# Altium PCB PCB1.PcbDoc (part 8 of 9) (continued)
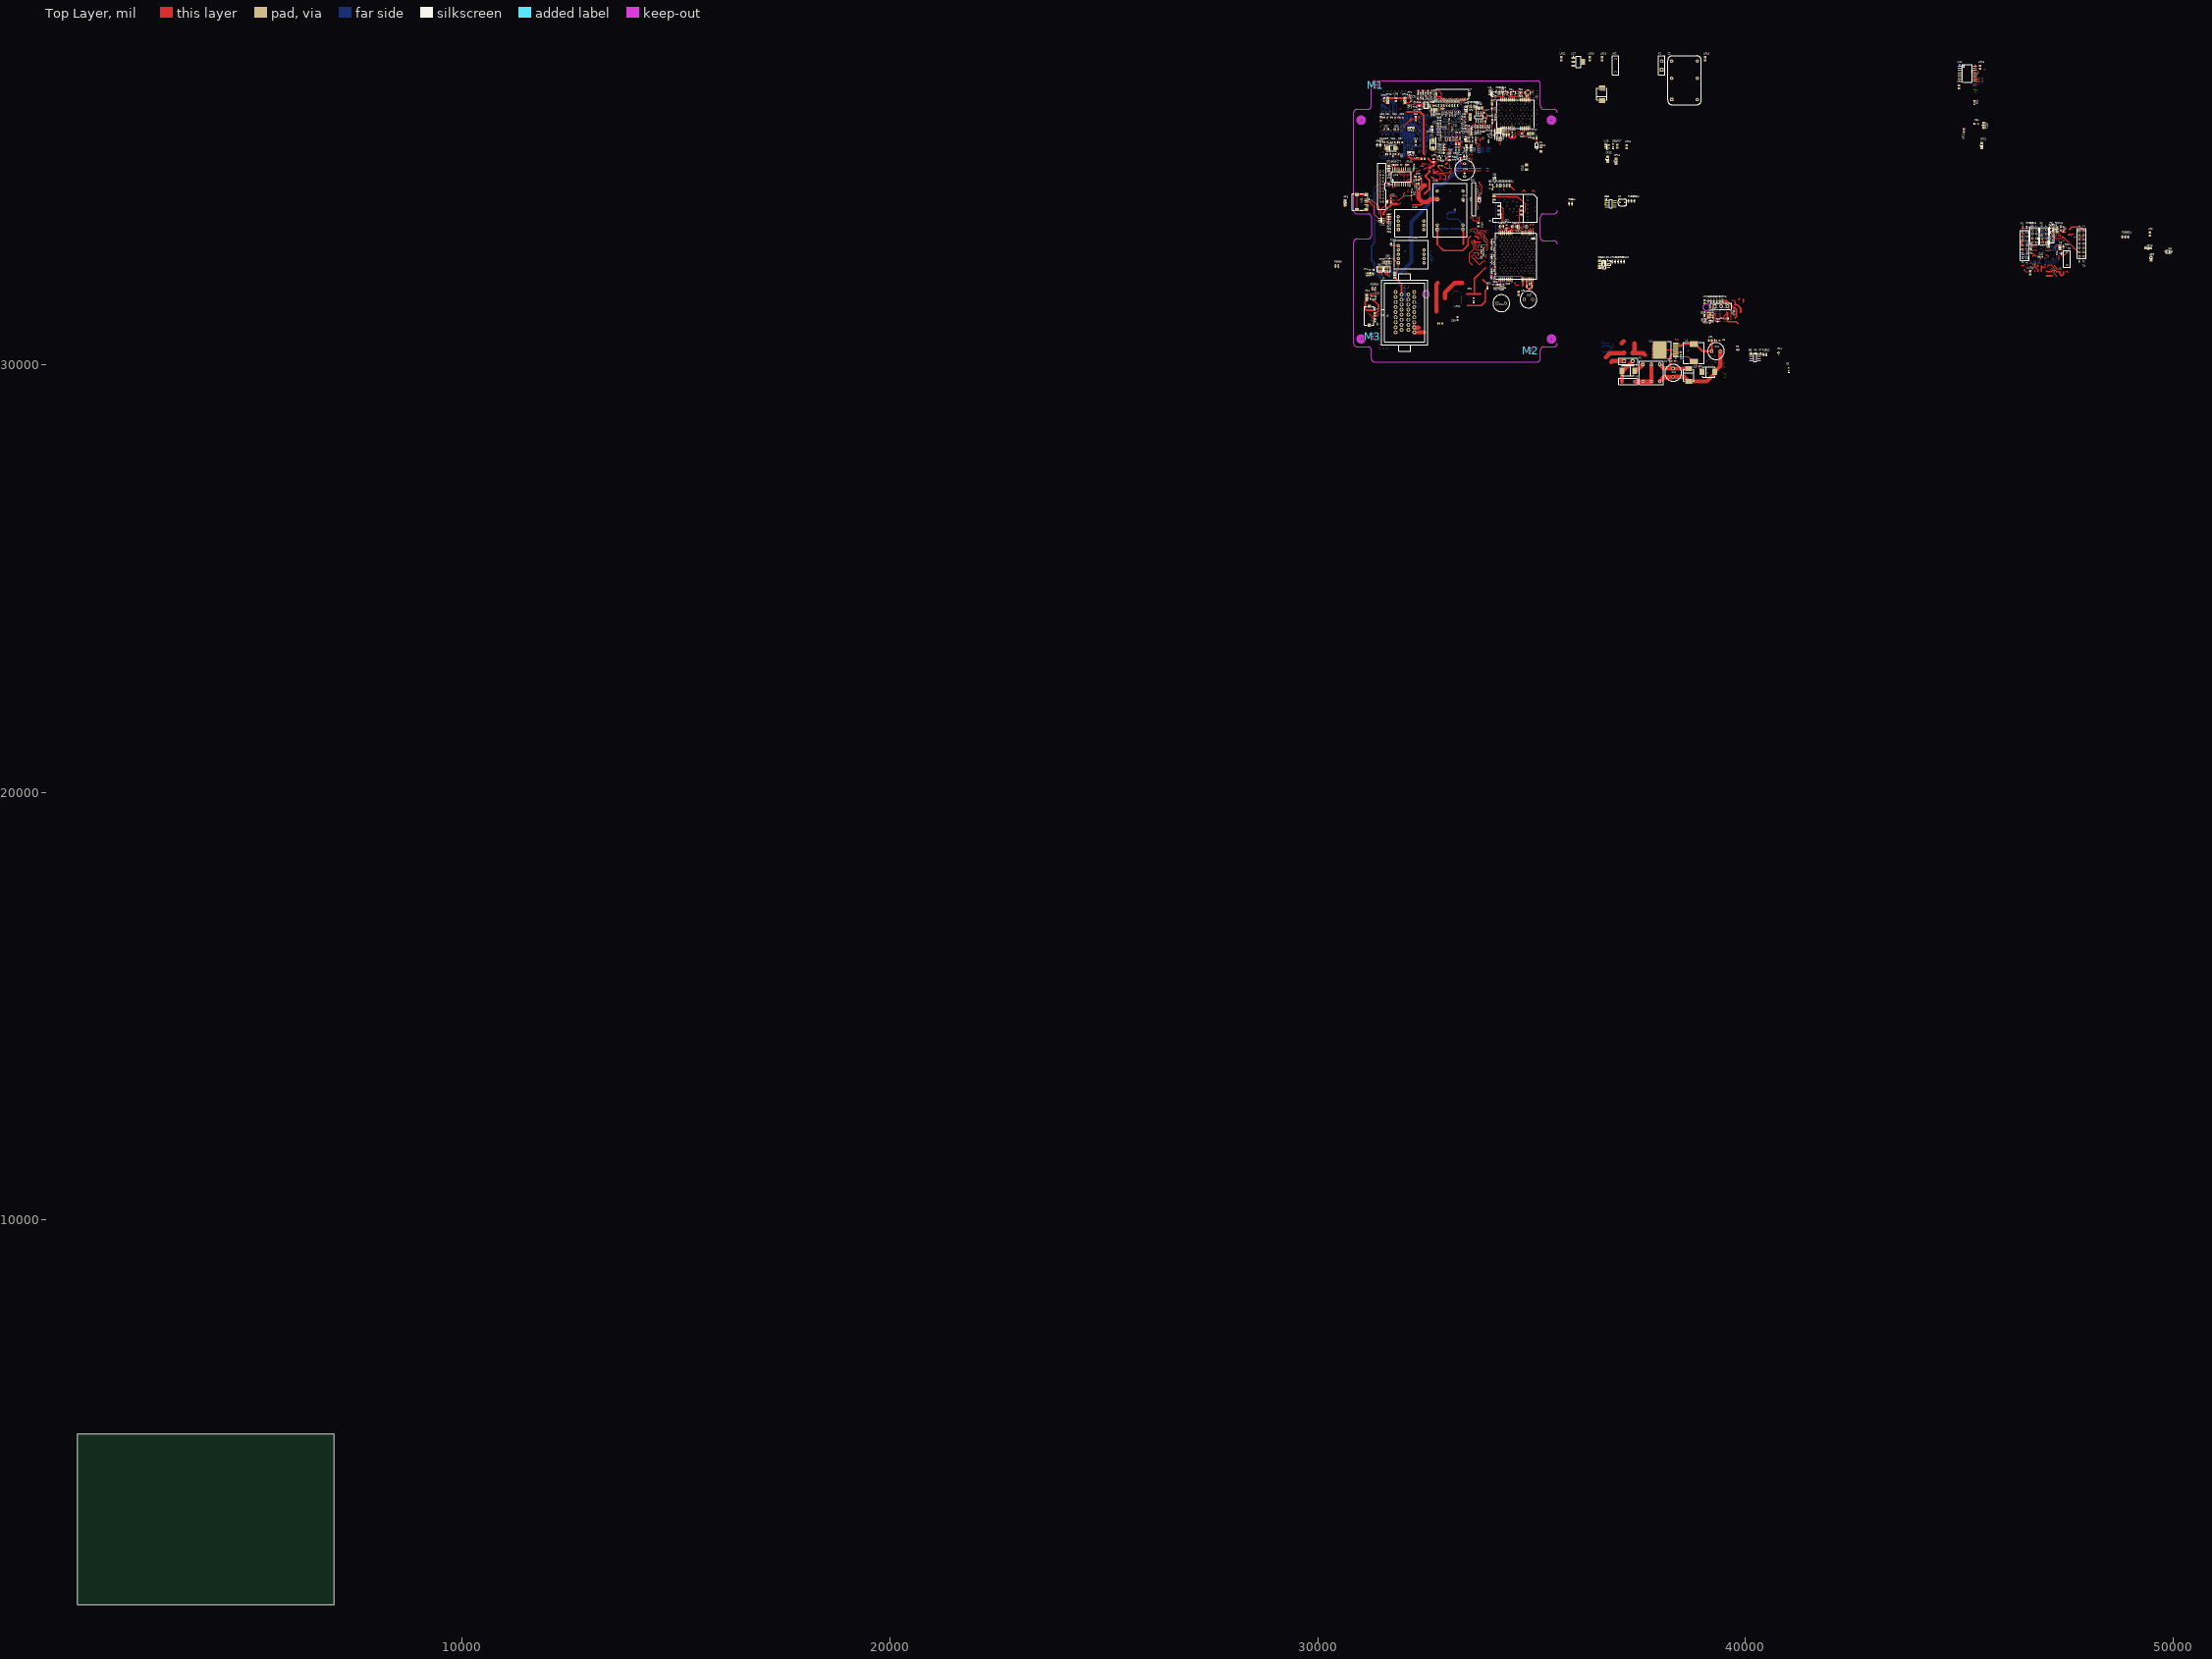
[diagram p0: Top Layer view]
## Nets (pads, with @x,y where several pads share a name; then routed paths per layer and width w, separated by ;. In a path a pad name is that pad's centre, name@x,y a point inside that pad or via, vN(x,y) a via of type N, cw(c..) or ccw(c..) an arc to the next point about the centre after c; other vN are vias at no path point) (continued)
; 33189.23,35518.29 v1(33204.98,35502.54) ; 33189.23,35549.79 v1(33204.98,35534.04) ; 33189.23,35581.28 v1(33204.98,35565.54) ; 33189.23,35644.28 v1(33204.98,35660.02) ; 33189.23,35738.77 v1(33204.98,35723.02) ; 33189.23,35801.76 v1(33204.98,35817.51) ; v1@33200.98,35376.56 ccw(c33191.33,35376.56) 33198.15,35383.39 ccw(c33204.98,35390.22) v1@33204.98,35380.56 ; v1@33200.98,35408.06 ccw(c33191.33,35408.06) 33198.15,35414.89 ccw(c33204.98,35421.71) v1@33204.98,35412.06 ; v1@33200.98,35439.55 ccw(c33191.33,35439.55) 33198.15,35446.38 ccw(c33204.98,35453.21) v1@33204.98,35443.55 ; v1@33200.98,35471.05 ccw(c33191.33,35471.05) 33198.15,35477.88 ccw(c33204.98,35484.71) v1@33204.98,35475.05 ; v1@33200.98,35502.54 ccw(c33191.33,35502.54) 33198.15,35509.37 ccw(c33204.98,35516.2) v1@33204.98,35506.54 ; v1@33200.98,35534.04 ccw(c33191.33,35534.04) 33198.15,35540.87 ccw(c33204.98,35547.7) v1@33204.98,35538.04 ; v1@33200.98,35565.54 ccw(c33191.33,35565.54) 33198.15,35572.37 ccw(c33204.98,35579.19) v1@33204.98,35569.54 ; v1@33200.98,35660.02 cw(c33191.33,35660.02) 33198.15,35653.2 cw(c33204.98,35646.37) v1@33204.98,35656.02 ; v1@33200.98,35723.02 ccw(c33191.33,35723.02) 33198.15,35729.85 ccw(c33204.98,35736.68) v1@33204.98,35727.02 ; v1@33200.98,35817.51 cw(c33191.33,35817.51) 33198.15,35810.68 cw(c33204.98,35803.85) v1@33204.98,35813.51 ; v1@33204.98,35750.51 cw(c33204.98,35740.86) 33211.81,35747.69 cw(c33218.64,35754.51) v1@33208.98,35754.51 ; v1(33204.98,35754.51) 33220.73,35738.77 ; 33220.73,35392.31 v1(33236.48,35376.56) ; 33220.73,35423.8 v1(33236.48,35408.06) ; 33220.73,35455.3 v1(33236.48,35439.55) ; 33220.73,35486.8 v1(33236.48,35471.05) ; 33220.73,35518.29 v1(33236.48,35502.54) ; 33220.73,35581.28 v1(33236.48,35565.54) ; 33220.73,35675.77 v1(33236.48,35691.52) ; v1@33232.48,35376.56 ccw(c33222.82,35376.56) 33229.65,35383.39 ccw(c33236.48,35390.22) v1@33236.48,35380.56 ; v1@33232.48,35408.06 ccw(c33222.82,35408.06) 33229.65,35414.89 ccw(c33236.48,35421.71) v1@33236.48,35412.06 ; v1@33232.48,35439.55 ccw(c33222.82,35439.55) 33229.65,35446.38 ccw(c33236.48,35453.21) v1@33236.48,35443.55 ; v1@33232.48,35502.54 ccw(c33222.82,35502.54) 33229.65,35509.37 ccw(c33236.48,35516.2) v1@33236.48,35506.54 ; v1@33232.48,35565.54 ccw(c33222.82,35565.54) 33229.65,35572.36 ccw(c33236.48,35579.19) v1@33236.48,35569.54 ; v1@33232.48,35691.52 cw(c33222.82,35691.52) 33229.65,35684.69 cw(c33236.48,35677.87) v1@33236.48,35687.52 ; v1@33249.4,35853.94 cw(c33242.57,35847.11) 33252.23,35847.11 cw(c33261.89,35847.11) v1@33255.06,35853.94 ; 33252.23,35360.81 v1(33267.98,35345.06) ; 33252.23,35392.31 v1(33267.98,35376.56) ; 33252.23,35423.8 v1(33267.98,35408.06) ; 33252.23,35486.8 v1(33267.98,35471.05) ; 33252.23,35518.29 v1(33268.11,35502.42) ; 33252.23,35549.79 v1(33267.97,35565.54) ; 33252.23,35644.28 v1(33267.98,35660.02) ; 33252.23,35675.77 v1(33267.98,35691.52) ; 33252.23,35707.27 v1(33267.98,35723.02) ; 33252.23,35738.77 v1(33267.98,35754.51) ; 33252.23,35833.25 v1(33252.23,35856.77) ; v1@33263.97,35565.54 cw(c33254.31,35565.54) 33261.15,35558.71 cw(c33267.97,35551.88) v1@33267.97,35561.54 ; v1@33263.98,35345.06 ccw(c33254.32,35345.06) 33261.15,35351.89 ccw(c33267.98,35358.72) v1@33267.98,35349.06 ; v1@33263.98,35376.56 ccw(c33254.32,35376.56) 33261.15,35383.39 ccw(c33267.98,35390.22) v1@33267.98,35380.56 ; v1@33263.98,35408.06 ccw(c33254.32,35408.06) 33261.15,35414.89 ccw(c33267.98,35421.71) v1@33267.98,35412.06 ; v1@33263.98,35471.05 ccw(c33254.32,35471.05) 33261.15,35477.88 ccw(c33267.98,35484.71) v1@33267.98,35475.05 ; v1@33263.98,35660.02 cw(c33254.32,35660.02) 33261.15,35653.2 cw(c33267.98,35646.37) v1@33267.98,35656.02 ; v1@33263.98,35691.52 cw(c33254.32,35691.52) 33261.15,35684.69 cw(c33267.98,35677.87) v1@33267.98,35687.52 ; v1@33263.98,35723.02 cw(c33254.32,35723.02) 33261.15,35716.19 cw(c33267.98,35709.36) v1@33267.98,35719.02 ; v1@33263.98,35754.51 cw(c33254.32,35754.51) 33261.15,35747.69 cw(c33267.98,35740.86) v1@33267.98,35750.51 ; v1@33264.11,35502.42 ccw(c33254.45,35502.42) 33261.28,35509.24 ccw(c33268.11,35516.07) v1@33268.11,35506.42 ; 33283.72,35329.32 33299.5,35313.54 v1(33299.5,35309.2) ; 33283.72,35392.31 v1(33299.47,35376.56) 33284.27,35361.36 33283.75,35361.36 ; 33283.72,35423.8 v1(33299.47,35408.06) ; 33283.72,35455.3 33285.98,35453.05 33338.42,35453.05 33340.24,35454.87 ; 33283.72,35486.8 v1(33299.47,35471.05) ; 33283.72,35518.29 v1(33299.47,35502.54) ; 33283.72,35581.28 v1(33299.47,35565.54) ; 33283.72,35675.77 v1(33299.47,35691.52) ; 33283.72,35707.27 v1(33299.47,35723.02) ; 33283.72,35738.77 v1(33299.47,35754.51) ; 33289.59,35323.45 cw(c33275.34,35309.2) v1@33295.5,35309.2 ; v1@33295.47,35408.06 ccw(c33285.82,35408.06) 33292.64,35414.89 ccw(c33299.47,35421.71) v1@33299.47,35412.06 ; v1@33295.47,35471.05 ccw(c33285.81,35471.05) 33292.64,35477.88 ccw(c33299.47,35484.7) v1@33299.47,35475.05 ; v1@33295.47,35502.54 ccw(c33285.82,35502.54) 33292.64,35509.37 ccw(c33299.47,35516.2) v1@33299.47,35506.54 ; v1@33295.47,35565.54 ccw(c33285.82,35565.54) 33292.64,35572.37 ccw(c33299.47,35579.19) v1@33299.47,35569.54 ; v1@33295.47,35691.52 cw(c33285.82,35691.52) 33292.64,35684.69 cw(c33299.47,35677.87) v1@33299.47,35687.52 ; v1@33295.47,35723.02 cw(c33285.82,35723.02) 33292.64,35716.19 cw(c33299.47,35709.36) v1@33299.47,35719.02 ; v1@33295.47,35754.51 cw(c33285.82,35754.51) 33292.64,35747.69 cw(c33299.47,35740.86) v1@33299.47,35750.51 ; v1@33299.47,35372.56 ccw(c33299.47,35362.9) 33292.64,35369.73 ccw(c33285.82,35376.56) 33295.47,35376.56 ccw(c33285.82,35376.56) 33292.64,35383.39 ccw(c33299.47,35390.22) v1@33299.47,35380.56 ; 33315.22,35392.31 33343.24,35392.31 33344.46,35393.54 ; 33315.22,35423.8 33344.46,35423.8 ; 33315.22,35486.8 v1(33330.97,35471.05) ; 33315.22,35518.29 v1(33330.97,35502.54) ; 33315.22,35549.79 v1(33330.97,35565.54) ; 33315.22,35675.77 v1(33330.97,35691.52) ; 33315.22,35707.27 v1(33330.97,35723.02) ; 33315.22,35770.26 v1(33330.97,35786.01) ; v1@33326.97,35471.05 ccw(c33317.31,35471.05) 33324.14,35477.88 ccw(c33330.97,35484.71) v1@33330.97,35475.05 ; v1@33326.97,35502.54 ccw(c33317.31,35502.54) 33324.14,35509.37 ccw(c33330.97,35516.2) v1@33330.97,35506.54 ; v1@33326.97,35565.54 cw(c33317.31,35565.54) 33324.14,35558.71 cw(c33330.97,35551.88) v1@33330.97,35561.54 ; v1@33326.97,35691.52 cw(c33317.31,35691.52) 33324.14,35684.69 cw(c33330.97,35677.87) v1@33330.97,35687.52 ; v1@33326.97,35723.02 cw(c33317.31,35723.02) 33324.14,35716.19 cw(c33330.97,35709.36) v1@33330.97,35719.02 ; v1@33326.97,35786.01 cw(c33317.31,35786.01) 33324.14,35779.18 cw(c33330.97,35772.35) v1@33330.97,35782.01 ; v1@33330.97,35813.51 cw(c33330.97,35803.85) 33337.8,35810.68 cw(c33344.63,35817.51) 33334.97,35817.51 cw(c33344.63,35817.51) 33337.8,35824.34 cw(c33330.97,35831.16) v1@33330.97,35821.51 ; 33343.79,35803.29 33380.46,35766.61 ; 33346.72,35455.3 33346.28,35454.87 ; 33346.72,35486.8 v1(33362.46,35471.05) ; 33346.72,35612.78 v1(33362.46,35628.53) ; 33346.72,35675.77 v1(33362.46,35660.03) ; 33346.72,35707.27 v1(33362.46,35723.02) ; 33346.72,35770.26 v1(33362.46,35754.51) ; 33346.72,35801.76 v1(33330.97,35817.51) 33346.72,35833.25 ; 33347.72,35359.39 33345.76,35361.36 ; 33347.72,35361.36 33348.71,35361.36 ; 33348.71,35390.89 33354.18,35390.89 33355.01,35390.06 33386.94,35390.06 v1@33401.86,35375.14 ; 33348.71,35454.87 33346.28,35454.87 ; v1@33358.46,35471.05 ccw(c33348.81,35471.05) 33355.64,35477.88 ccw(c33362.46,35484.71) v1@33362.46,35475.05 ; v1@33358.46,35628.53 cw(c33348.81,35628.53) 33355.63,35621.7 cw(c33362.46,35614.87) v1@33362.46,35624.53 ; v1@33358.46,35660.03 ccw(c33348.81,35660.03) 33355.63,35666.86 ccw(c33362.46,35673.68) v1@33362.46,35664.03 ; v1@33358.46,35723.02 cw(c33348.81,35723.02) 33355.63,35716.19 cw(c33362.46,35709.36) v1@33362.46,35719.02 ; v1@33358.46,35754.51 ccw(c33348.81,35754.51) 33355.64,35761.34 ccw(c33362.46,35768.17) v1@33362.46,35758.51 ; v1(33362.46,35408.06) 33378.21,35423.8 ; v1@33362.46,35412.06 ccw(c33362.46,35421.71) 33369.29,35414.89 ccw(c33376.12,35408.06) v1@33366.46,35408.06 ; v1@33362.46,35813.51 cw(c33362.46,35803.85) 33369.29,35810.68 cw(c33376.12,35817.51) 33366.46,35817.51 cw(c33376.12,35817.51) 33369.29,35824.34 cw(c33362.46,35831.16) v1@33362.46,35821.51 ; 33378.21,35518.29 v1(33400.85,35518.29) v1@33402.82,35518.29 ; 33378.21,35581.28 33378.21,35564.12 ; 33378.21,35644.28 33415.09,35644.28 v1@33446.15,35675.34 ; 33378.21,35770.26 33380.46,35768.01 33380.46,35766.61 ; 33378.21,35801.76 v1(33362.46,35817.51) 33378.21,35833.25 ; 33379.22,35549.35 33378.21,35550.36 33378.21,35564.12 ; 33385.14,35313.12 ccw(c33394.04,35322.03) v1@33394.04,35309.44 ; 33393.78,35383.22 ccw(c33402.29,35391.72) v1@33402.29,35379.69 ; v1(33394.04,35305.44) 33392.82,35305.44 33378.21,35320.05 33378.21,35329.32 33346.72,35329.32 33315.22,35329.32 33313.83,35329.32 33313.83,35359.94 33315.24,35361.36 33345.76,35361.36 ; v1@33398.02,35515.46 ccw(c33391.19,35508.64) 33391.19,35518.29 ccw(c33391.19,35527.95) v1@33398.02,35521.12 ; 33437.64,35666.83 cw(c33446.15,35658.32) v1@33446.15,35670.35 ; 33467.72,35558.3 ccw(c33476.23,35566.81) v1@33476.23,35554.77 ; v1@33476.66,35549.35 33461.9,35564.12 33378.21,35564.12 ; v2@33568.37,35178.46 v2(33570.23,35178.46) ; 33942.69,34994.89 34028.18,34994.89 ; 33942.69,35029.89 34038.45,35029.89 ; 33942.69,35064.89 34056.17,35064.89 ; 33942.69,35099.89 34039,35099.89 ; v2@34190.64,32825.34 ccw(c34182.11,32816.81) 34182.11,32828.88 ccw(c34182.11,32840.95) v2@34190.64,32832.42 ; v2(34194.18,32828.88) 34165.64,32828.88 34165.64,32735.38 34035.72,32605.46 34035.72,32008.02 34156.88,31886.85 34497.23,31886.85 v2(34547.53,31937.15) ; v2@34202.96,32981.44 ccw(c34190.89,32981.44) 34199.43,32989.98 ccw(c34207.96,32998.51) v2@34207.96,32986.44 ; v2(34207.96,32981.44) 34173.51,33015.89 34173.51,33780.65 34251.27,33858.41 34251.27,34297.39 ; v2@34214.27,35329.28 cw(c34205.73,35320.75) 34217.8,35320.75 cw(c34229.87,35320.75) v2@34221.34,35329.28 ; v2(34217.8,35332.82) 34217.8,35298.37 34251.27,35264.91 ; 34486.5,35310.18 34542.61,35254.08 ; v2@34542.53,31937.15 cw(c34530.46,31937.15) 34538.99,31928.61 cw(c34547.53,31920.08) v2@34547.53,31932.15 ; 46484.01,32977.76 v2@46507.3,32954.47 ; 46490.17,33047.76 ccw(c46490.17,33072) v2@46507.31,33054.86 ; 46494.29,33012.76 v2@46507.3,32999.75 ; 46494.84,33082.76 v2@46512.22,33100.14 ; 46495.1,33011.95 ccw(c46508.68,33025.52) v2@46508.68,33006.32 ; 46495.19,32966.58 cw(c46479.94,32951.32) v2@46501.51,32951.32 ; 46501.6,33089.52 cw(c46515.17,33075.94) 46515.17,33095.14 cw(c46515.17,33083.07) 46523.71,33091.61 cw(c46532.24,33100.14) v2@46520.17,33100.14 ; v2@46502.98,32947.79 cw(c46492.54,32937.35) 46507.3,32937.35 ; 46507.3,32941.15 cw(c46516.68,32941.15) v2@46510.05,32947.79 ; v2@46507.3,32952.5 46507.3,32873.76 46538.8,32842.27 46596.87,32842.27 ; v2(46515.17,33100.14) 46543.72,33071.6 46543.72,32915.1 46557.5,32901.32 46596.87,32901.32 ; v2@46526,32575.46 cw(c46526,32563.39) 46534.54,32571.92 cw(c46543.07,32580.46) v2@46531,32580.46 ; v2(46526,32580.46) 46539.78,32566.68 46596.87,32566.68 ; v2(46531.91,32536.17) 46542.73,32546.99 46596.87,32546.99 ; v2@46531.91,32541.17 ccw(c46531.91,32553.24) 46540.44,32544.7 ccw(c46548.98,32536.17) v2@46536.91,32536.17 ; v2(46539.78,32881.64) 46596.87,32881.64 ; v2@46543.32,32878.1 cw(c46551.85,32869.57) 46551.85,32881.64 cw(c46551.85,32893.71) v2@46543.32,32885.17 ; v2(46547.65,32743.84) 46596.87,32743.84 ; v2@46551.19,32740.31 cw(c46559.72,32731.77) 46559.72,32743.84 cw(c46559.72,32755.91) v2@46551.19,32747.38 ; 46596.87,32724.16 v2(46651.98,32724.16) ; 46596.87,32763.53 v2(46647.06,32763.53) ; 46596.87,32861.95 46639.19,32861.95 46658.87,32881.64 v2(46658.87,32922.98) ; v2@46643.53,32759.99 ccw(c46634.99,32751.46) 46634.99,32763.53 ccw(c46634.99,32775.6) v2@46643.53,32767.06 ; v2@46648.45,32720.62 ccw(c46639.91,32712.09) 46639.91,32724.16 ccw(c46639.91,32736.23) v2@46648.45,32727.69 ; v2@46654.35,33088.73 cw(c46645.82,33080.2) 46657.89,33080.2 cw(c46669.96,33080.2) v2@46661.43,33088.73 ; v2@46655.34,32919.44 cw(c46646.8,32910.91) 46658.87,32910.91 cw(c46670.95,32910.91) v2@46662.41,32919.44 ; 46657.89,33041.09 v2(46657.89,33092.27) ; 46707.1,32280.26 46796.67,32369.83 46796.67,32445.61 46795.68,32446.6 ; 46707.1,33247.78 46707.1,33159.2 46755.33,33110.97 46755.33,33060.77 ; v2@46718.91,33098.09 cw(c46718.91,33086.02) 46727.45,33094.56 cw(c46735.98,33103.09) v2@46723.91,33103.09 ; v2(46718.91,33103.09) 46736.63,33085.38 46736.63,33041.09 ; v2@46738.02,32364.5 ccw(c46727.1,32375.42) 46742.54,32375.42 ; v2@46742.54,32358.02 46742.54,32391.48 46756.31,32405.26 46756.31,32446.6 ; v2@46772.46,32390.09 ccw(c46763.93,32398.63) 46776,32398.63 ccw(c46788.07,32398.63) v2@46779.54,32390.09 ; v2(46776,32386.56) 46776,32446.6 ; 46790.76,33207.43 46866.55,33207.43 46867.54,33206.44 46879.35,33206.44 46908.87,33176.91 46908.87,33086.36 46913.8,33081.44 46913.8,33041.09 ; v2(46837.02,32385.57) 46854.74,32403.29 46854.74,32446.6 ; v2@46837.02,32390.57 ccw(c46837.02,32402.65) 46845.56,32394.11 ccw(c46854.09,32385.57) v2@46842.02,32385.57 ; v2@46870.89,32995.41 ccw(c46862.35,33003.95) 46874.43,33003.95 ccw(c46886.5,33003.95) v2@46877.96,32995.41 ; 46874.43,32446.6 46874.43,32402.31 v2(46892.14,32384.59) ; v2(46874.43,32991.87) 46874.43,33041.09 ; v2@46887.14,32384.59 ccw(c46875.07,32384.59) 46883.61,32393.13 ccw(c46892.14,32401.66) v2@46892.14,32389.59 ; v2@46890.57,32493.26 cw(c46882.04,32484.72) 46894.11,32484.72 cw(c46906.18,32484.72) v2@46897.65,32493.26 ; 46894.11,32446.6 v2(46894.11,32496.8) ; 46894.11,33041.09 46894.11,33003.68 v2(46911.83,32985.97) ; v2@46906.83,32985.97 ccw(c46894.76,32985.97) 46903.29,32994.5 ccw(c46911.83,33003.04) v2@46911.83,32990.97 ; 46913.8,32446.6 46913.8,32487.94 v2(46928.56,32502.7) ; v2@46923.56,32502.7 cw(c46911.49,32502.7) 46920.02,32494.17 cw(c46928.56,32485.63) v2@46928.56,32497.7 ; 46933.48,33041.09 46933.48,33135.57 46943.32,33145.42 47040.76,33145.42 ; v2(46980.72,32328.49) 46980.72,32330.46 47051.59,32401.32 47051.59,32446.6 ; v2@46985.72,32328.49 cw(c47002.55,32328.49) 46990.65,32340.38 ; 46998.44,33147.39 46998.44,33236.95 ; v2@47008.68,32499.17 cw(c47000.15,32490.63) 47012.22,32490.63 cw(c47024.29,32490.63) v2@47015.76,32499.17 ; 47012.22,32446.6 v2(47012.22,32502.7) ; 47090.96,32446.6 47090.96,32407.23 47109.66,32388.53 47250.41,32388.53 47336.04,32474.16 ; v2@47126.8,32838.73 cw(c47118.26,32830.2) 47130.33,32830.2 cw(c47142.4,32830.2) v2@47133.87,32838.73 ; 47130.33,32446.6 47238.6,32446.6 47337.02,32545.02 47437.02,32545.02 47526,32634 ; v2(47130.33,32842.27) 47130.33,32807.82 47154.94,32783.21 47191.35,32783.21 47223.83,32783.21 47280.92,32840.3 47291.75,32840.3 47395.09,32840.3 47399.03,32836.36 ; v2(47139.19,32763.53) 47191.35,32763.53 47226.8,32763.53 47237.62,32774.35 47291.75,32774.35 ; v2(47140.17,32684.79) 47191.35,32684.79 47235.65,32684.79 47281.9,32638.53 47289.78,32638.53 ; v2@47142.72,32759.99 cw(c47151.26,32751.46) 47151.26,32763.53 cw(c47151.26,32775.6) v2@47142.72,32767.06 ; v2@47143.71,32681.25 cw(c47152.24,32672.72) 47152.24,32684.79 cw(c47152.24,32696.86) v2@47143.71,32688.32 ; v2@47187.82,32482.61 ccw(c47179.28,32491.15) 47191.35,32491.15 ccw(c47203.43,32491.15) v2@47194.89,32482.61 ; v2(47191.35,32479.08) 47191.35,32507.62 ; 47191.35,32704.47 v2(47249.43,32704.47) 47288.8,32704.47 47289.78,32705.46 ; 47191.35,32724.16 47247.43,32724.16 47259.24,32735.97 v2(47340.96,32735.97) ; 47191.35,32743.84 47238.6,32743.84 v2(47248.44,32753.69) ; 47191.35,32901.32 v2(47300.61,32901.32) ; 47212.61,32743.84 ccw(c47212.61,32789.52) v2@47244.91,32757.22 ; 47236.75,32743.84 ccw(c47236.75,32765.38) v2@47251.98,32750.15 ; v2@47245.89,32700.94 ccw(c47237.35,32692.4) 47237.35,32704.47 ccw(c47237.35,32716.54) v2@47245.89,32708.01 ; v2@47252.96,32700.94 cw(c47261.5,32692.4) 47261.5,32704.47 cw(c47261.5,32716.54) v2@47252.96,32708.01 ; 47291.75,32773.37 47396.08,32773.37 ; v2@47297.07,32897.79 ccw(c47288.54,32889.25) 47288.54,32901.32 ccw(c47288.54,32913.39) v2@47297.07,32904.86 ; v2@47337.43,32732.43 ccw(c47328.89,32723.9) 47328.89,32735.97 ccw(c47328.89,32748.04) v2@47337.43,32739.5 ; 47458.09,32770.42 v2(47492.54,32770.42) ; 47458.09,32836.36 v2(47490.57,32836.36) ; v2@47487.03,32832.83 ccw(c47478.5,32824.29) 47478.5,32836.36 ccw(c47478.5,32848.43) v2@47487.03,32839.9 ; v2@47489,32766.88 ccw(c47480.46,32758.35) 47480.46,32770.42 ccw(c47480.46,32782.49) v2@47489,32773.95 ; 32772.75,35709.96 v2(32772.75,35721.83) 32868.87,35721.83 32872.02,35724.99 ; 33344.46,35393.54 33344.46,35423.8 ; 33344.46,35393.54 33344.46,35362.65 33345.76,35361.36 ; 33344.46,35423.8 33344.46,35453.05 33346.28,35454.87 ; 33380.46,35747.06 33379.22,35745.81 33379.22,35743.56 33380.46,35744.81 33380.46,35747.06 ; 33380.46,35747.06 33380.46,35766.61
  Bottom Layer w12: 32258.16,31363.33 32273.9,31379.08 32392.02,31379.08 ; 32271.94,31461.76 32295.56,31438.13 32392.02,31438.13 ; 32649.89,32487.35 32623.31,32513.92 32623.31,32627.11 32651.86,32655.65 32651.86,32687.15 ; v2(32651.86,32350.54) 32651.86,32386.95 32690.24,32425.34 32690.24,32509.98 32650.87,32549.35 32650.87,32583.8 32651.86,32584.79 ; 33056.36,35001.56 33060.3,35005.5 33060.3,35074.39 33060.3,35075.38 ; 33123.29,35161.99 33132.15,35153.13 33193.17,35153.13 ; v2(34108.55,32290.5) 34128.24,32270.81 34128.24,32228.49 ; v2(34109.54,32964.71) 34128.24,32946.01 34128.24,32911.56 ; v2(34110.52,32628.09) 34131.19,32607.43 34131.19,32568.05 ; 34165.64,32485.38 34165.64,32482.42 ; v2(34195.16,32485.38) 34168.59,32485.38 34165.64,32482.42 ; v2(34198.12,32145.81) 34165.64,32145.81 34165.64,32040.5 34266.03,31940.1 v2(34460.91,31940.1) ; 34427.45,35239.31 34427.45,35310.18 ; v2(34504.22,31937.15) 34479.61,31912.54 34212.88,31912.54 34062.29,32063.13 34062.29,32335.85 34165.64,32439.2 34165.64,32482.42 ; 36635.55,30408.4 36670,30442.85 36853.07,30442.85 ; 36641.46,30537.34 36673.94,30504.86 36777.28,30504.86 36778.27,30505.84 36836.34,30505.84 ; 36659.17,30306.04 36794.02,30306.04 36920.98,30433.01 36920.98,30505.84 ; 37892.44,30105.25 37944.61,30105.25 ; 37944.61,30103.28 37944.61,30105.25 ; 37944.61,30107.22 37944.61,30105.25 ; 38637.52,30337.54 v2(38675.91,30337.54) ; v2(46570.29,32471.2) 46570.29,32481.05 46596.87,32507.62 ; v2@46574.29,32471.2 cw(c46607.71,32471.2) 46584.08,32494.84 ; v2(46657.89,32388.53) 46657.89,32446.6 ; v2(46697.26,32386.56) 46697.26,32446.6
  Bottom Layer w20: v1(31475.3,35241.73) 31475.3,35287.79 ; v1(31478.3,35823.73) 31478.3,35870.79 ; v1(31538.29,35241.74) 31538.29,35287.79 ; v1(31541.29,35823.74) 31541.29,35870.79 ; 31632.78,34850.78 v1(31632.78,34897.25) ; 31635.78,35433.78 v1(31635.78,35479.32) ; v1(31727.27,35242.76) 31727.27,35287.79 ; v1(31730.27,35823.76) 31730.27,35870.79 ; 31821.75,34850.78 v1(31821.75,34896.29) ; 31824.75,35433.78 v1(31824.75,35480.29) ; v1(31884.75,35240.28) 31884.75,35287.79 ; v1(31887.75,35824.28) 31887.75,35870.79 ; v1(32297.19,35823.84) 32297.19,35870.79 ; 32484.54,32486.36 32485.19,32487.02 32592.8,32487.02 ; 32489.46,32679.28 32497.33,32687.15 32592.8,32687.15 ; 32493.39,32386.95 32592.8,32386.95 ; 32494.38,32587.74 32495.03,32587.08 32592.8,32587.08 ; v2(32651.86,32454.87) 32651.86,32487.02 ; 33124.3,35000.14 33145.95,35000.14 33160.22,35014.41 ; v1(33166.62,34986.36) 33166.62,35008.02 33160.22,35014.41 ; 33185.3,35085.22 33185.3,35039.49 33160.22,35014.41 ; 34090.83,32145.81 34090.83,32124.16 v2(34108.55,32106.44) ; 34090.83,32485.38 34113.43,32462.78 v2(34113.56,32462.78) ; 34090.83,32828.88 34090.83,32808.21 v2(34112.49,32786.56) ; 37892.44,30107.22 37944.61,30107.22 37944.61,30160.37 ; 38004.65,30017.65 38004.65,30105.25 ; 38307.8,29912.34 38492.45,30096.99 38492.45,30370.31 ; v2@38458.39,30499.94 38478.07,30499.94 ; 38490.28,30487.73 ccw(c38459.09,30456.54) v2(38459.09,30500.65) cw(c38468.2,30490.07) 38478.07,30499.94 ; 38492.45,30462.83 38492.45,30480.25 ; 38569.61,30480.25 38492.45,30480.25 ; 38574.53,30487.14 38579.45,30482.22 38579.45,30401.51 38579.45,30339.5 38575.51,30335.57 ; v2@47490.57,32768.45 47521.47,32737.54 47816.35,32737.54 ; 38478.07,30499.94 38492.45,30485.56 38492.45,30480.25
  Bottom Layer w25: 33517.62,33878.7 33581.6,33878.7 33581.98,33879.08 ; 33727.62,33678.7 33780.39,33678.7 33786.7,33672.39 ; 33727.62,34078.7 33786.88,34078.7 33793.59,34071.99 ; 37799.92,30008.8 37832.4,30041.28 37832.4,30117.06 37877.68,30162.34 37877.68,30328.68 37972.17,30423.17 38078.47,30423.17 ; 37944.61,30222.38 37944.61,30284.39 ; 37944.61,30285.37 38019.41,30285.37 ; 38078.47,30285.37 v2(38231.02,30285.37) ; 38078.47,30288.32 38078.47,30356.24 ; v2(38637.52,30444.82) v2@38638.51,30444.82 ; 38638.51,30401.51 v2@38638.51,30444.82 ; 38638.51,30488.13 v2@38638.51,30444.82 ; v2(46789.78,33110.97) 46789.78,33144.43 ; 47038.8,33213.33 v2(47038.8,33247.78) ; 47136.24,33046.01 47136.24,33039.12 v2(47160.84,33014.51)
  Bottom Layer w39.37: 32808.16,33186.17 33055.4,33186.17 ; 32812.29,33894.83 32816.23,33890.89 ; 33021.94,33451.91 33063.28,33410.57 33209.93,33410.57 33283.75,33410.57 33406.62,33287.7 33406.62,33187.7 33405.09,33186.17 33122.33,33186.17
  Bottom Layer w50: 33026.86,33526.72 33064.26,33564.12 33209.93,33564.12 v5@33209.93,33629.08
  other v1: 31742.41,33963.72 32649.86,35408.06 32670.51,35409.03 32693.17,35409.04 32716.79,35504.51 33016.01,35565.54 33079,35660.02 33446.15,35674.35 33442.19,35697.43
  other v2: 39444.13,31558.42 46811.43,32341.28 34779.16,33240.85 47577.18,33241.87 31665.64,34781.64 32079.75,34959.53 35121.35,35360.38 34873.32,36140.89 45379.2,36372.87 45600.66,36828.58 45593.77,36909.29
  other v3: 39531.49,29709.57 39469.49,29753.57 38745.49,29778.8 38830.71,29778.8 39531.49,29794.8 39119.49,29806.57 39469.49,29838.8 39119.49,29891.8 39508.49,29953.1 39148.35,29993.8 39233.57,29993.8 38990.27,30008.8 39075.49,30008.8 39508.49,30038.32 39215.28,30058.8 39300.5,30058.8 39103.07,30082.8 39159.17,30116.8 39244.4,30116.8 39031.49,30140.8 39103.07,30168.02 39201.93,30202.8 39287.16,30202.8 39031.49,30226.02 38762.49,30237.8 38847.71,30237.8 31447.16,30384.85 31537.16,30384.85 31626.94,30386.85 31447.16,30479.72 31447.16,30574.59 31447.16,30669.46 31447.16,30764.33 31447.16,30859.2 31447.16,30954.07 34280.27,32138.85 34365.49,32138.85 34450.71,32138.85 34535.94,32138.85 34621.16,32138.85 34706.38,32138.85 34791.6,32138.85 34876.82,32138.85 34962.05,32138.85 35047.27,32138.85 34326.72,32199.85 34411.94,32199.85 34497.16,32199.85 34582.38,32199.85 34667.61,32199.85 34752.83,32199.85 34838.05,32199.85 34923.27,32199.85 35008.5,32199.85 35093.72,32199.85 34271.27,32264.85 34356.49,32264.85 34441.71,32264.85 34526.94,32264.85 34612.16,32264.85 34697.38,32264.85 34782.6,32264.85 34867.82,32264.85 34953.05,32264.85 35038.27,32264.85 34320.27,32328.85 34405.49,32328.85 34490.71,32328.85 34575.94,32328.85 34661.16,32328.85 34746.38,32328.85 34831.6,32328.85 34916.82,32328.85 35002.05,32328.85 35087.27,32328.85 34271.27,32391.85 34356.49,32391.85 34441.71,32391.85 34526.94,32391.85 34612.16,32391.85 34697.38,32391.85 34782.6,32391.85 34867.82,32391.85 34953.05,32391.85 35038.27,32391.85 34323.27,32455.85 34408.49,32455.85 34493.71,32455.85 34578.94,32455.85 34664.16,32455.85 34749.38,32455.85 34834.6,32455.85 34919.82,32455.85 35005.05,32455.85 35090.27,32455.85 34279.27,32526.72 34364.49,32526.72 34449.71,32526.72 34534.94,32526.72 34620.16,32526.72 34705.38,32526.72 34790.6,32526.72 34875.82,32526.72 34961.05,32526.72 35046.27,32526.72 34322.27,32584.77 34407.49,32584.77 34492.71,32584.77 34577.94,32584.77 34663.16,32584.77 34748.38,32584.77 34833.6,32584.77 34918.82,32584.77 35004.05,32584.77 35089.27,32584.77 47003.36,32618.72 33662.6,32644.12 34280.27,32645.85 34365.49,32645.85 34450.71,32645.85 34535.94,32645.85 34621.16,32645.85 34706.38,32645.85 34791.6,32645.85 34876.82,32645.85 34962.05,32645.85 35047.27,32645.85 46967.99,32660.72 33526.16,32691.85 34320.27,32706.85 34405.49,32706.85 34490.71,32706.85 34575.94,32706.85 34661.16,32706.85 34746.38,32706.85 34831.6,32706.85 34916.82,32706.85 35002.05,32706.85 35087.27,32706.85 46920.11,32719.72 47005.33,32719.72 46883.77,32767.72 46968.99,32767.72 34275.54,32772.85 34360.76,32772.85 34445.98,32772.85 34531.2,32772.85 34616.43,32772.85 34701.65,32772.85 34786.87,32772.85 34872.09,32772.85 34957.31,32772.85 35042.54,32772.85 34309.27,32838.85 34394.49,32838.85 34479.71,32838.85 34564.94,32838.85 34650.16,32838.85 34735.38,32838.85 34820.6,32838.85 34905.82,32838.85 34991.05,32838.85 35076.27,32838.85 34273.27,32906.71 34358.49,32906.71 34443.71,32906.71 34528.94,32906.71 34614.16,32906.71 34699.38,32906.71 34784.6,32906.71 34869.82,32906.71 34955.05,32906.71 35040.27,32906.71 34311.05,32981.44 34396.27,32981.44 34481.49,32981.44 34566.71,32981.44 34651.94,32981.44 34737.16,32981.44 34822.38,32981.44 34907.6,32981.44 34992.82,32981.44 35078.05,32981.44 34912.16,33395.85 35083.16,33430.63 34913.67,33473.63 34657.16,33498.63 35083.16,33515.85 34913.67,33558.85 34569.16,33575.85 34657.16,33583.85 35084.16,33602.63 34915.16,33648.63 34502.94,33649.85 34588.16,33649.85 35084.16,33687.85 34659.16,33719.85 34426.87,33726.85 34512.1,33726.85 34915.16,33733.85 35082.16,33796.63 34350.87,33799.85 34436.1,33799.85 34656.16,33808.63 34571.16,33826.85 34913.67,33845.63 34300.87,33862.85 34386.1,33862.85 35082.16,33881.85 34656.16,33893.85 34490.44,33899.85 34575.66,33899.85 34913.67,33930.85 32026.16,34337.85 31858.53,34340.85 31943.75,34340.85 31793.16,34404.85 31878.38,34404.85 32018.16,34405.85 32103.38,34405.85 31544.57,34977.85 31617.38,34978.85 31478.3,34981.63 31756.94,34987.85 31842.16,34987.85 31727.16,35049.85 31478.3,35066.85 31726.16,35111.07 35135.13,35448.96 35135.13,35534.18 31813.28,35578.1 31469.16,35578.85 31554.38,35578.85 31644.16,35578.85 31729.38,35578.85 35135.13,35619.41 31511.16,35623.85 31596.38,35623.85 31689.16,35625.67 31774.38,35625.67 31856.25,35626.85 34284.71,35641.62 34369.94,35641.62 34455.16,35641.62 34540.38,35641.62 34625.6,35641.62 34710.82,35641.62 34796.05,35641.62 34881.27,35641.62 34966.49,35641.62 35051.71,35641.62 31549.22,35672.85 31637.78,35676.85 31723,35676.85 31815.16,35678.73 31900.38,35678.73 34239.49,35699.62 34324.71,35699.62 34409.94,35699.62 34495.16,35699.62 34580.38,35699.62 34665.6,35699.62 34750.82,35699.62 34836.05,35699.62 34921.27,35699.62 35006.49,35699.62 35135.13,35704.63 31761.76,35719.08 31846.98,35719.08 31592.16,35720.61 31677.38,35720.61 34281.71,35760.62 34366.94,35760.62 34452.16,35760.62 34537.38,35760.62 34622.6,35760.62 34707.82,35760.62 34793.05,35760.62 34878.27,35760.62 34963.49,35760.62 35048.71,35760.62 35135.13,35789.85 34242.71,35825.81 34327.94,35825.81 34413.16,35825.81 34498.38,35825.81 34583.6,35825.81 34668.82,35825.81 34754.05,35825.81 34839.27,35825.81 34924.49,35825.81 35009.71,35825.81 35135.13,35875.07 34288.71,35885.85 34373.94,35885.85 34459.16,35885.85 34544.38,35885.85 34629.6,35885.85 34714.82,35885.85 34800.05,35885.85 34885.27,35885.85 34970.49,35885.85 35055.71,35885.85 34242.71,35958.62 34327.94,35958.62 34413.16,35958.62 34498.38,35958.62 34583.6,35958.62 34668.82,35958.62 34754.05,35958.62 34839.27,35958.62 34924.49,35958.62 35009.71,35958.62 35135.13,35960.29 32111.94,35978.85 32197.16,35978.85 31926.16,35981.44 34289.71,36025.62 34374.94,36025.62 34460.16,36025.62 34545.38,36025.62 34630.6,36025.62 34715.82,36025.62 34801.05,36025.62 34886.27,36025.62 34971.49,36025.62 35056.71,36025.62 35135.13,36045.52 34245.71,36095.5 34330.94,36095.5 34416.16,36095.5 34501.38,36095.5 34586.6,36095.5 34671.82,36095.5 34757.05,36095.5 34842.27,36095.5 34927.49,36095.5 35012.71,36095.5 35135.13,36130.74 34664.65,36163.85 31949.16,36169.43 35135.13,36215.96 34664.65,36232.07 35055.16,36243.63 35140.16,36326.63 35055.16,36328.85 31868.16,36350.85 31953.38,36350.85 32027.16,36351.85 31677.16,36353.85 31762.38,36353.85 32058.16,36401.85 32143.38,36401.85 31551.16,36402.85 31636.38,36402.85 31722.72,36402.85 31807.95,36402.85 31894.16,36403.85 31979.38,36403.85 35140.16,36411.85 35055.16,36414.07
  other v4: 33151.86,34881.05 32940.24,36253.09
  other v5: 39547.47,31403.89 39446.1,31497.39 33210.91,33632.03 32200.09,34097.58

## Polygon pours and split planes (outlines as drawn)
no net on InternalPlane2 (split plane): 6979.9,1020.1 1020.1,1020.1 1020.1,4979.9 6979.9,4979.9
no net on InternalPlane1 (split plane): 6979.9,1020.1 1020.1,1020.1 1020.1,4979.9 6979.9,4979.9